# Altium PCB 智能马桶综合检测台V2.0.PcbDoc (part 2 of 2)
Units mil, origin at the board's own origin, x right, y up, seen from the top; angles counter-clockwise.
Board outline 8070.87 x 6102.36 mil, 2 copper layers (Top Layer, Bottom Layer); 199 components, 169 nets, 733 pads, 77 vias.
Unrouted connection lines stored in the file: 91.
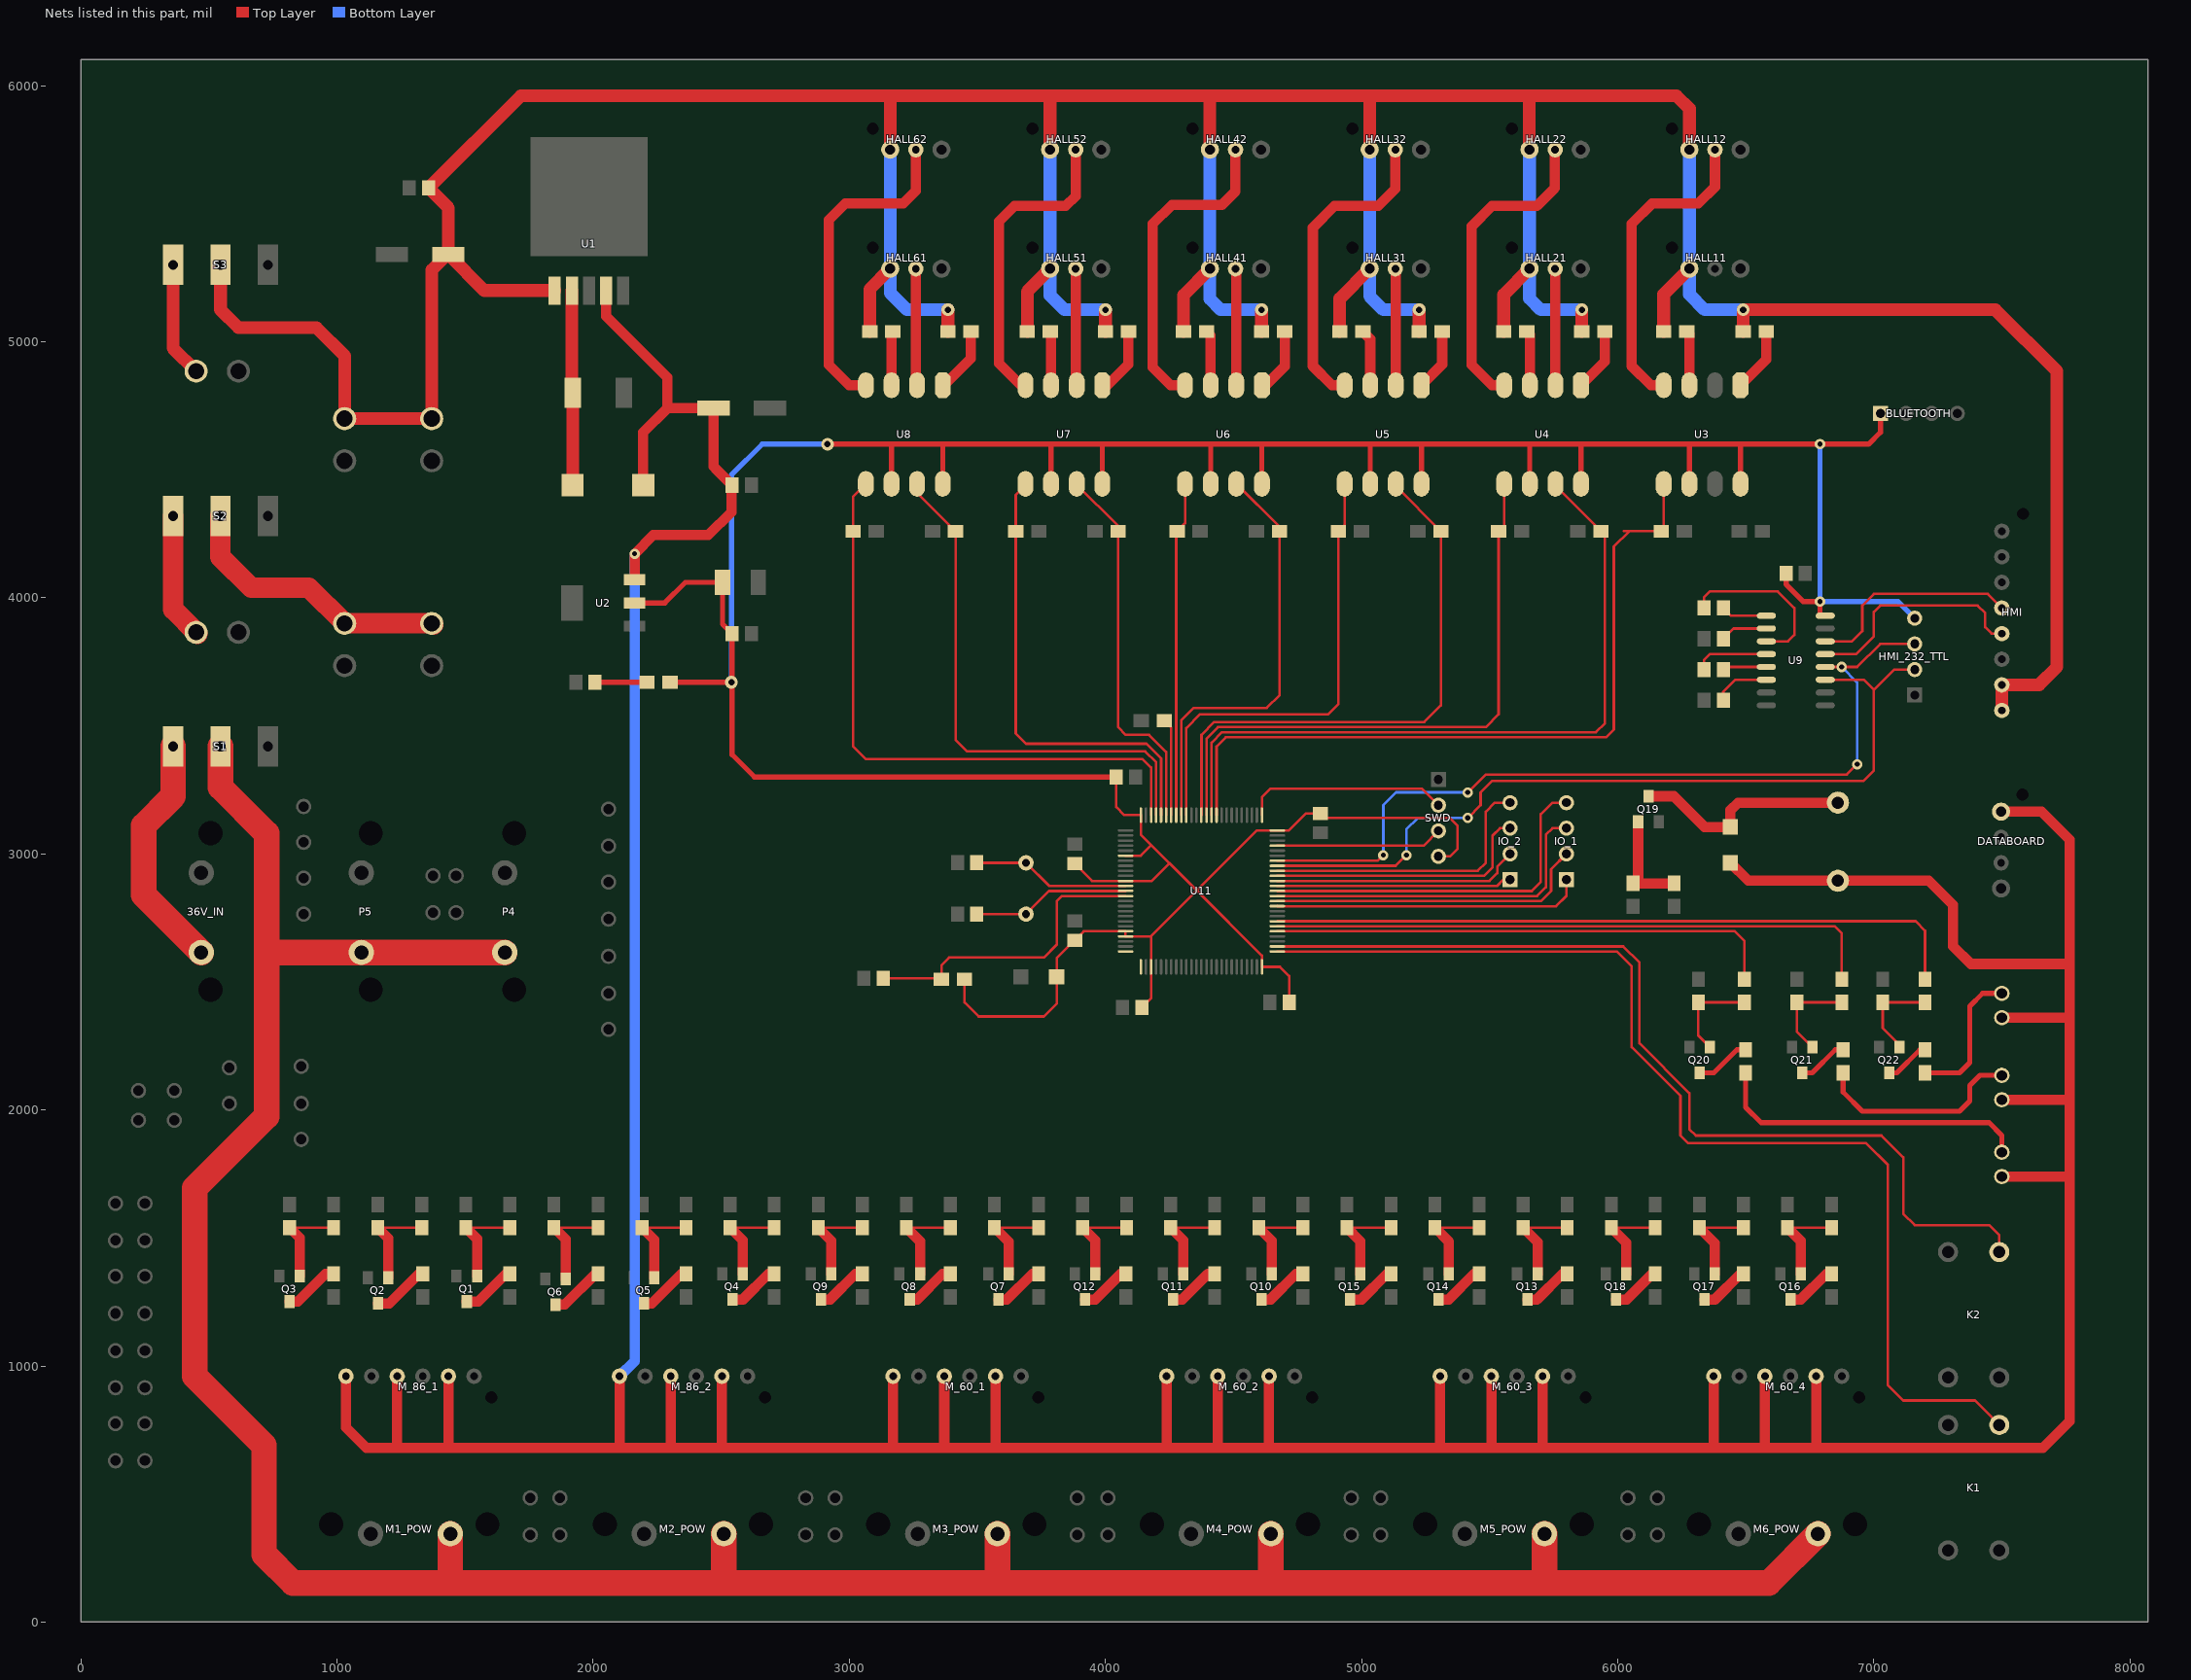
[diagram p2: the nets of this part, all layers, seen from the top]

## Via types
v1: diameter 40, hole 20, Top Layer to Bottom Layer, 68 vias
v2: diameter 50, hole 25, Top Layer to Bottom Layer, 9 vias

## Nets (pads, with @x,y where several pads share a name; then routed paths per layer and width w, separated by ;. In a path a pad name is that pad's centre, name@x,y a point inside that pad or via, vN(x,y) a via of type N, cw(c..) or ccw(c..) an arc to the next point about the centre after c; other vN are vias at no path point) (continued)
HALL_12: R61.2 U3.5 U11.85 | length 3001.3
  Top Layer w10: U11.85@4434.06,3151.26 4434.06,3419.06 4470,3455 5955,3455 5985,3485 5985,4200 6045,4260 ; 6025,4260 R61.2@6170,4260 ; R61.2@6160,4270 R61.2@6170,4260 ; R61.2@6180,4270 U3.5@6180,4445 ; R61.2@6185,4275 R61.2@6170,4260
HALL_12_IN: HALL12.2 U3.4 | length 1241.1
  Top Layer w40: U3.4@6180,4830 6130,4830 6055,4905 6055,5460 6135,5540 6315,5540 6380,5605 HALL12.2@6380,5750
HALL_21: R64.2 U4.7 U11.86 | length 2858.8
  Top Layer w10: U11.86@4414.37,3151.26 4414.37,3434.37 4455,3475 5915,3475 5950,3510 R64.2@5950,4260 ; U4.7@5757,4445 5757,4438 R64.2@5935,4260
HALL_21_IN: HALL21.2 U4.2 | length 455.4
  Top Layer w40: HALL21.2@5756,5285 5757,5284 U4.2@5757,4830
HALL_22: R65.2 U4.5 U11.87 | length 2387.3
  Top Layer w10: U11.87@4394.69,3151.26 4394.69,3449.69 4440,3495 5485,3495 5535,3545 R65.2@5535,4260 5557,4282 U4.5@5557,4445
HALL_22_IN: HALL22.2 U4.4 | length 1228.7
  Top Layer w40: U4.4@5562,4830 5510,4830 5430,4910 5430,5450 5510,5530 5685,5530 5755,5600 5755,5735 HALL22.2@5756,5736
HALL_31: R68.2 U5.7 U11.88 | length 2234.3
  Top Layer w10: U11.88@4375,3151.26 4375,3465 4425,3515 5245,3515 5310,3580 R68.2@5310,4260 5134,4436 U5.7@5134,4445
HALL_31_IN: HALL31.2 U5.2 | length 453
  Top Layer w40: U5.2@5134,4830 HALL31.2@5134,5283
HALL_32: R69.2 U5.5 U11.91 | length 1876.6
  Top Layer w10: U11.91@4315.94,3151.26 4315.94,3490.94 4370,3545 4870,3545 4910,3585 R69.2@4910,4260 4934,4284 U5.5@4934,4445 U5.5@4910,4421
HALL_32_IN: HALL32.2 U5.4 | length 1243
  Top Layer w40: U5.4@4944,4830 4885,4830 4810,4905 4810,5445 4895,5530 5065,5530 5132,5597 HALL32.2@5132,5750
HALL_41: R72.2 U6.7 U11.92 | length 1689.6
  Top Layer w10: U11.92@4296.26,3151.26 4296.26,3521.26 4345,3570 4630,3570 4680,3620 4680,4276 U6.7@4511,4445
HALL_41_IN: HALL41.2 U6.2 | length 456.2
  Top Layer w40: HALL41.2@4508,5285 4511,5282 U6.2@4511,4830
HALL_42: R73.2 U6.5 U11.93 | length 1308
  Top Layer w10: U11.93@4276.57,3151.26 4276.57,4256.57 4311,4291 U6.5@4311,4445
HALL_42_IN: HALL42.2 U6.4 | length 1253
  Top Layer w40: U6.4@4311,4830 4255,4830 4185,4900 4185,5460 4260,5535 4455,5535 4508,5588 HALL42.2@4508,5750
HALL_51: R76.2 U7.7 U11.95 | length 1491.1
  Top Layer w10: U7.7@3888,4445 3888,4442 4050,4280 4050,3495 4080,3465 4170,3465 4237.2,3397.8 U11.95@4237.2,3151.26
HALL_51_IN: HALL51.2 U7.2 | length 456.7
  Top Layer w40: HALL51.2@3884,5285 3884,4834 U7.2@3888,4830
HALL_52: R77.2 U7.5 U11.96 | length 1819.9
  Top Layer w10: U7.5@3688,4445 3688,4440 3650,4402 3650,3470 3690,3430 4160,3430 4217.52,3372.48 U11.96@4217.52,3151.26
HALL_52_IN: HALL52.2 U7.4 | length 1214.2
  Top Layer w40: U7.4@3688,4830 3670,4830 3585,4915 3585,5470 3645,5530 3845,5530 3884,5569 HALL52.2@3884,5750
HALL_61: R80.2 U8.7 U11.97 | length 2087.3
  Top Layer w10: U8.7@3265,4445 3265,4410 R80.2@3415,4260 3415,3445 3460,3400 4155,3400 4197.83,3357.17 U11.97@4197.83,3151.26
HALL_61_IN: HALL61.2 U8.2 | length 457.1
  Top Layer w40: HALL61.2@3260,5285 3260,4835 U8.2@3265,4830
HALL_62: R81.2 U8.5 U11.98 | length 2428.9
  Top Layer w10: U8.5@3065,4445 3015,4395 3015,3420 3065,3370 4145,3370 4178.15,3336.85 U11.98@4178.15,3151.26
HALL_62_IN: HALL62.2 U8.4 | length 1290.8
  Top Layer w40: U8.4@3065,4830 3000,4830 2920,4910 2920,5475 2985,5540 3210,5540 3260,5590 HALL62.2@3260,5750
HMI_232_RX: HMI.4 U9.14 | length 868.5
  Top Layer w10: U9.14@6789.49,3830 6915,3830 6955,3870 6955,3970 7000,4015 7445,4015 HMI.4@7500,3960
HMI_232_TX: HMI.5 U9.13 | length 922.6
  Top Layer w10: U9.13@6789.49,3780 6930,3780 7000,3850 7000,3945 7025,3970 7405,3970 7435,3940 7435,3885 7460,3860 HMI.5@7500,3860
HMI_RX: HMI_232_TTL.3 U9.12 U11.69 | length 3346.7
  Top Layer w10: U11.69@4671.26,2973.11 5063.11,2973.11 v1(5085,2995) ; v1(5415,3240) 5485,3310 6895,3310 v1(6935,3350) ; U9.12@6789.49,3730 6935,3730 7025,3820 HMI_232_TTL.3@7160,3820
  Bottom Layer w10: v1(5085,2995) 5085,3190 5135,3240 v1(5415,3240) ; v1(6875,3730) 6935,3670 v1(6935,3350)
HMI_TX: HMI_232_TTL.2 U9.11 U11.68 | length 3320.7
  Top Layer w10: U11.68@4671.26,2953.43 5133.43,2953.43 v1(5175,2995) ; v1(5415,3140) 5465,3190 5465,3240 5510,3285 6960,3285 7000,3325 7000,3640 ; U9.11@6789.49,3680 6960,3680 7000,3640 ; HMI_232_TTL.2@7160,3720 7080,3720 7000,3640
  Bottom Layer w10: v1(5175,2995) 5175,3095 5220,3140 v1@5430,3140
KEY1: K1.2@7490,770 U11.51 | length 4363.6
  Top Layer w10: U11.51@4671.26,2618.78 5996.22,2618.78 6055,2560 6055,2245 6245,2055 6245,1900 6275,1870 6970,1870 7055,1785 7055,925 7115,865 7395,865 K1.2@7490,770
KEY2: K2.2@7490,1445 U11.52 | length 3746.6
  Top Layer w10: U11.52@4671.26,2638.46 6021.54,2638.46 6085,2575 6085,2260 6280,2065 6280,1925 6305,1900 7030,1900 7115,1815 7115,1595 7160,1550 7450,1550 7490,1510 K2.2@7490,1445
LED1: R82.1 U11.55 | length 1989.3
  Top Layer w10: U11.55@4671.26,2697.52 6457.48,2697.52 6495,2660 R82.1@6495,2510
LED2: R85.1 U11.56 | length 2395
  Top Layer w10: U11.56@4671.26,2717.2 6847.8,2717.2 6875,2690 R85.1@6875,2510
LED3: R88.1 U11.57 | length 2734
  Top Layer w10: U11.57@4671.26,2736.89 7163.11,2736.89 7200,2700 R88.1@7200,2510
NetC6_1: C6.1 LS1.2 Q19.3 | length 867.1
  Top Layer w40: Q19.3@6120,3225 6220,3225 6340,3105 C6.1@6440,3105 6440,3170 6470,3200 LS1.2@6860,3200
NetC7_1: C7.1 U9.1 | length 200.5
  Top Layer w10: C7.1@6412.4,3960 6442.4,3930 U9.1@6600.51,3930
NetC7_2: C7.2 U9.3 | length 655.9
  Top Layer w10: C7.2@6337.6,3960 6337.6,4002.6 6360,4025 6625,4025 6690,3960 6690,3855 6665,3830 U9.3@6580.63,3830
NetC8_1: C8.1 U9.4 | length 309.8
  Top Layer w10: C8.1@6337.6,3720 6337.6,3757.6 6360,3780 U9.4@6600.51,3780
NetC8_2: C8.2 U9.5 | length 192.3
  Top Layer w10: C8.2@6412.4,3720 6422.4,3730 U9.5@6600.51,3730
NetC10_2: C10.2 U9.2 | length 204.7
  Top Layer w10: C10.2@6412.4,3840 6452.4,3880 U9.2@6600.51,3880
NetC11_2: C11.2 U9.6 | length 240.2
  Top Layer w10: C11.2@6412.4,3600 6412.4,3632.4 6460,3680 U9.6@6600.51,3680
NetD1_2: D1.2 L1.1 U1.2 | length 760.9
  Top Layer w50: U1.2@1916.93,5200 1916.93,4803.66 D1.2@1920.59,4800 ; L1.1@1920,4440 D1.2@1920,4799.41
NetD2_1: D2.1 R1.1 | length 202.6
  Top Layer w20: D2.1@2007.4,3670 R1.1@2210,3670
NetD3_2: D3.2 R84.1 | length 1245.6
  Top Layer w20: R84.1@6500,2145 6500,2010 6560,1950 7450,1950 7500,1900 D3.2@7500,1835
NetD4_2: D4.2 R87.1 | length 819.2
  Top Layer w20: R87.1@6880,2145 6880,2070 6955,1995 7335,1995 7375,2035 7375,2095 7415,2135 D4.2@7500,2135
NetD5_2: D5.2 R90.1 | length 557.3
  Top Layer w20: R90.1@7200,2145 7335,2145 7375,2185 7375,2405 7425,2455 D5.2@7500,2455
NetQ1_1: Q1.1 R2.2 R3.1 | length 378.6
  Top Layer w10: R3.1@1503,1540 R2.2@1675,1540
  Top Layer w40: R3.1@1503,1540 1546.76,1496.24 Q1.1@1546.76,1351.5
NetQ1_3: Q1.3 R4.1 | length 213.2
  Top Layer w40: Q1.3@1506.76,1251.5 1551.5,1251.5 1660,1360 R4.1@1675,1360
NetQ2_1: Q2.1 R5.2 R6.2 | length 384.8
  Top Layer w10: R6.2@1159,1540 R5.2@1331,1540
  Top Layer w40: R6.2@1159,1540 1200.88,1498.12 Q2.1@1200.88,1344.5
NetQ2_3: Q2.3 R7.1 | length 222
  Top Layer w40: Q2.3@1160.88,1244.5 1204.5,1244.5 1320,1360 R7.1@1335,1360
NetQ3_1: Q3.1 R8.2 R9.1 | length 377.1
  Top Layer w10: R9.1@815,1540 R8.2@987,1540
  Top Layer w40: R9.1@815,1540 855,1500 Q3.1@855,1351.5
NetQ3_3: Q3.3 R10.1 | length 204.9
  Top Layer w40: Q3.3@815,1251.5 846.5,1251.5 955,1360 R10.1@975,1360
NetQ4_1: Q4.1 R11.2 R12.2 | length 372.5
  Top Layer w10: R12.2@2535,1540 R11.2@2707,1540
  Top Layer w40: R12.2@2535,1540 2584.41,1490.59 Q4.1@2584.41,1360
NetQ4_3: Q4.3 R13.1 | length 204
  Top Layer w40: Q4.3@2544.41,1260 2585,1260 2685,1360 R13.1@2707,1360
NetQ5_1: Q5.1 R14.2 R15.1 | length 387.3
  Top Layer w10: R15.1@2195,1550 2205,1540 R14.2@2363,1540
  Top Layer w40: R15.1@2191,1540 2238.53,1492.47 Q5.1@2238.53,1344.5
NetQ5_3: Q5.3 R16.1 | length 212.3
  Top Layer w40: Q5.3@2198.53,1244.5 2229.5,1244.5 2345,1360 R16.1@2363,1360
NetQ6_1: Q6.1 R17.2 R18.2 | length 391.4
  Top Layer w10: R18.2@1847,1540 R17.2@2019,1540
  Top Layer w40: R18.2@1847,1540 1892.65,1494.35 Q6.1@1892.65,1339.5
NetQ6_3: Q6.3 R19.1 | length 216.3
  Top Layer w40: Q6.3@1852.65,1239.5 1889.5,1239.5 2010,1360 R19.1@2019,1360
NetQ7_1: Q7.1 R20.2 R21.1 | length 374.8
  Top Layer w10: R21.1@3567,1540 R20.2@3739,1540
  Top Layer w40: R21.1@3567,1540 3622.06,1484.94 Q7.1@3622.06,1360
NetQ7_3: Q7.3 R22.1 | length 198.4
  Top Layer w40: Q7.3@3582.06,1260 3615,1260 3715,1360 R22.1@3739,1360
NetQ8_1: Q8.1 R23.2 R24.2 | length 374
  Top Layer w10: R24.2@3223,1540 R23.2@3395,1540
  Top Layer w40: R24.2@3223,1540 3276.18,1486.82 Q8.1@3276.18,1360
NetQ8_3: Q8.3 R25.1 | length 200.2
  Top Layer w40: Q8.3@3236.18,1260 3265,1260 3365,1360 R25.1@3395,1360
NetQ9_1: Q9.1 R26.2 R27.1 | length 373.2
  Top Layer w10: R27.1@2879,1540 R26.2@3051,1540
  Top Layer w40: R27.1@2879,1540 2930.29,1488.71 Q9.1@2930.29,1360
NetQ9_3: Q9.3 R28.1 | length 202.1
  Top Layer w40: Q9.3@2890.29,1260 2925,1260 3025,1360 R28.1@3051,1360
NetQ10_1: Q10.1 R29.2 R30.2 | length 373.1
  Top Layer w10: R30.2@4599,1540 R29.2@4771,1540
  Top Layer w40: R30.2@4599,1540 4650,1489 Q10.1@4650,1360
NetQ10_3: Q10.3 R31.1 | length 202.4
  Top Layer w40: Q10.3@4610,1260 4645,1260 4745,1360 R31.1@4771,1360
NetQ11_1: Q11.1 R32.2 R33.1 | length 372.2
  Top Layer w10: R33.1@4255,1540 R32.2@4427,1540
  Top Layer w40: R33.1@4255,1540 4303.82,1491.18 Q11.1@4303.82,1360
NetQ11_3: Q11.3 R34.1 | length 204.6
  Top Layer w40: Q11.3@4263.82,1260 4300,1260 4400,1360 R34.1@4427,1360
NetQ12_1: Q12.1 R35.2 R36.2 | length 372.3
  Top Layer w10: R36.2@3911,1540 R35.2@4083,1540
  Top Layer w40: R36.2@3911,1540 3960,1491 Q12.1@3960,1360
NetQ12_3: Q12.3 R37.1 | length 201.4
  Top Layer w40: Q12.3@3920,1260 3960,1260 4060,1360 R37.1@4080,1360
NetQ13_1: Q13.1 R38.1 R39.2 | length 375.3
  Top Layer w10: R39.2@5631,1540 R38.1@5803,1540
  Top Layer w40: R39.2@5631,1540 5687.35,1483.65 Q13.1@5687.35,1360
NetQ13_3: Q13.3 R40.1 | length 197.1
  Top Layer w40: Q13.3@5647.35,1260 5685,1260 5785,1360 R40.1@5803,1360
NetQ14_1: Q14.1 R41.1 R42.1 | length 374.6
  Top Layer w10: R42.1@5287,1540 R41.1@5459,1540
  Top Layer w40: R42.1@5287,1540 5341.47,1485.53 Q14.1@5341.47,1360
NetQ14_3: Q14.3 R43.1 | length 199
  Top Layer w40: Q14.3@5301.47,1260 5340,1260 5440,1360 R43.1@5459,1360
NetQ15_1: Q15.1 R44.1 R45.1 | length 373.8
  Top Layer w10: R45.1@4943,1540 R44.1@5115,1540
  Top Layer w40: R45.1@4943,1540 4995.59,1487.41 Q15.1@4995.59,1360
NetQ15_3: Q15.3 R46.1 | length 200.8
  Top Layer w40: Q15.3@4955.59,1260 5000,1260 5100,1360 R46.1@5115,1360
NetQ16_1: Q16.1 R47.1 R48.2 | length 373.5
  Top Layer w10: R48.2@6663,1540 R47.1@6835,1540
  Top Layer w40: R48.2@6663,1540 6715,1488 Q16.1@6715,1360
NetQ16_3: Q16.3 R49.1 | length 201.4
  Top Layer w40: Q16.3@6675,1260 6715,1260 6815,1360 R49.1@6835,1360
NetQ17_1: Q17.1 R50.1 R51.1 | length 376.9
  Top Layer w10: R51.1@6319,1540 R50.1@6491,1540
  Top Layer w40: R51.1@6319,1540 6379.12,1479.88 Q17.1@6379.12,1360
NetQ17_3: Q17.3 R52.1 | length 193.3
  Top Layer w40: Q17.3@6339.12,1260 6380,1260 6480,1360 R52.1@6491,1360
NetQ18_1: Q18.1 R53.1 R54.1 | length 376.1
  Top Layer w10: R54.1@5975,1540 R53.1@6147,1540
  Top Layer w40: R54.1@5975,1540 6033.23,1481.77 Q18.1@6033.23,1360
NetQ18_3: Q18.3 R55.1 | length 195.2
  Top Layer w40: Q18.3@5993.23,1260 6035,1260 6135,1360 R55.1@6147,1360
NetQ19_1: Q19.1 R56.2 R57.1 | length 402.1
  Top Layer w40: R56.2@6060,2885 R57.1@6220,2885 ; R56.2@6075,2885 6080,2890 Q19.1@6080,3125
NetQ20_1: Q20.1 R82.2 R83.1 | length 373.6
  Top Layer w10: Q20.1@6360,2245 6315,2290 R83.1@6315,2420 R82.2@6495,2420
NetQ20_3: Q20.3 R84.2 | length 217.3
  Top Layer w20: Q20.3@6320,2145 6375,2145 6465,2235 R84.2@6500,2235
NetQ21_1: Q21.1 R85.2 R86.1 | length 374.9
  Top Layer w10: Q21.1@6760,2245 6700,2305 R86.1@6700,2420 R85.2@6875,2420
NetQ21_3: Q21.3 R87.2 | length 197.3
  Top Layer w20: Q21.3@6720,2145 6760,2145 6850,2235 R87.2@6880,2235
NetQ22_1: Q22.1 R88.2 R89.1 | length 356.9
  Top Layer w10: Q22.1@7100,2255 7035,2320 R89.1@7035,2420 R88.2@7200,2420
NetQ22_3: Q22.3 R90.2 | length 177.3
  Top Layer w20: Q22.3@7060,2145 7090,2145 7180,2235 R90.2@7200,2235
NetR58_2: R58.2 U3.1 | length 251.4
  Top Layer w40: U3.1@6480,4830 6580,4930 R58.2@6580,5040
NetR59_2: R59.2 U3.3 | length 214.1
  Top Layer w40: R59.2@6270,5040 6280,5030 U3.3@6280,4830
NetR62_2: R62.2 U4.1 | length 248.5
  Top Layer w40: U4.1@5857,4830 5950,4923 R62.2@5950,5040
NetR63_2: R63.2 U4.3 | length 215
  Top Layer w40: R63.2@5645,5040 5657,5028 U4.3@5657,4830
NetR66_2: R66.2 U5.1 | length 243.6
  Top Layer w40: U5.1@5234,4830 5315,4911 R66.2@5315,5040
NetR67_2: R67.2 U5.3 | length 222
  Top Layer w40: R67.2@5005,5040 5034,5011 U5.3@5034,4830
NetR70_2: R70.2 U6.1 | length 240.7
  Top Layer w40: U6.1@4626,4830 4700,4904 R70.2@4700,5040
NetR71_2: R71.2 U6.3 | length 216.6
  Top Layer w40: R71.2@4395,5040 4411,5024 U6.3@4411,4830
NetR74_2: R74.2 U7.1 | length 264
  Top Layer w40: U7.1@3988,4830 4008,4830 4090,4912 R74.2@4090,5040
NetR75_2: R75.2 U7.3 | length 211.2
  Top Layer w40: R75.2@3785,5040 3788,5037 U7.3@3788,4830
NetR78_2: R78.2 U8.1 | length 258.5
  Top Layer w40: U8.1@3365,4830 3370,4830 3475,4935 R78.2@3475,5040
NetR79_2: R79.2 U8.3 | length 212.1
  Top Layer w40: U8.3@3165,4830 3165,5035 R79.2@3170,5040
NetR91_1: R91.1 U11.94 | length 379.9
  Top Layer w10: R91.1@4230,3520 4256.89,3493.11 U11.94@4256.89,3151.26
NRST: C19.1 R92.1 U11.14 | length 1214.5
  Top Layer w10: C19.1@3132.4,2514.01 3355.99,2514.01 R92.1@3360,2510 3360,2565 3390,2595 3760,2595 3810,2645 3810,2815 3830.31,2835.32 U11.14@4078.74,2835.32
PA8: IO_2.4 U11.67 | length 1136.2
  Top Layer w10: U11.67@4671.26,2933.74 5453.74,2933.74 5485,2965 5485,3165 5520,3200 IO_2.4@5580,3200
PC6: IO_1.4 U11.63 | length 1426.9
  Top Layer w10: U11.63@4671.26,2855 5665,2855 5700,2890 5700,3155 5745,3200 IO_1.4@5800,3200
PC7: IO_2.1 U11.64 | length 919.2
  Top Layer w10: U11.64@4671.26,2874.69 5529.69,2874.69 5555,2900 IO_2.1@5580,2900
PC8: IO_2.2 U11.65 | length 967.1
  Top Layer w10: U11.65@4671.26,2894.37 5499.37,2894.37 5530,2925 5530,2950 IO_2.2@5580,3000
PC9: IO_2.3 U11.66 | length 1059
  Top Layer w10: U11.66@4671.26,2914.06 5479.06,2914.06 5512.13,2947.13 5512.13,3072.13 5540,3100 IO_2.3@5580,3100
PD13: IO_1.1 U11.60 | length 1210.7
  Top Layer w10: U11.60@4671.26,2795.94 4672.2,2795 5760,2795 5800,2835 IO_1.1@5800,2900
PD14: IO_1.2 U11.61 | length 1254.9
  Top Layer w10: U11.61@4671.26,2815.63 5700.63,2815.63 5740,2855 5740,2940 IO_1.2@5800,3000
PD15: IO_1.3 U11.62 | length 1358.5
  Top Layer w10: U11.62@4671.26,2835.32 5685.31,2835.32 5720,2870 5720,3075 5745,3100 IO_1.3@5800,3100
RXD2: U11.26
SWCLK: SWD.2 U11.76 | length 799.7
  Top Layer w10: U11.76@4611.22,3151.26 4611.22,3221.22 4645,3255 5235,3255 SWD.2@5300,3190
SWDIO: SWD.3 U11.72 | length 652.7
  Top Layer w10: U11.72@4671.26,3032.17 5242.17,3032.17 SWD.3@5300,3090
TXD2: U11.25
VCC3V3: BLUETOOTH.1 C4.1 C5.2 C9.2 C20.2 C21.1 C22.1 C23.1 C24.1 C25.1 C26.1 HMI_232_TTL.4 R1.2 R92.2 SWD.4 U2.2 U3.6 U3.8 U4.6 U4.8 U5.6 U5.8 U6.6 U6.8 U7.6 U7.8 U8.6 U8.8 U9.16 U11.6 U11.11 U11.21 U11.22 U11.28 U11.50 U11.75 U11.100 | length 16158.4
  Top Layer w10: R92.2@3450,2510 3450,2420 3505,2365 3760,2365 3810,2415 3810,2592.6 3914.92,2697.52 U11.21@4078.74,2697.52 U11.22@4078.74,2677.83 4177.83,2677.83 4178.15,2677.52 ; C26.1@3880,2962.6 3948.23,2894.37 4180.68,2894.37 4250.05,2963.73 ; C24.1@4042.6,3300 4042.6,3182.4 4073.74,3151.26 U11.100@4138.78,3151.26 4138.78,3075 4357.2,2856.57 4611.22,2602.56 U11.50@4611.22,2558.74 4681.26,2558.74 4717.4,2522.6 C22.1@4717.4,2420 ; U11.6@4078.74,2992.8 4137.82,2992.8 4179.4,3034.38 ; C25.1@4142.4,2400 4178.15,2435.75 4178.15,2677.52 ; SWD.4@5300,2990 5345,2990 5375,3020 5375,3110 5345,3140 4857.4,3140 C23.1@4840,3157.4 4782.4,3157.4 4716.22,3091.22 4591.85,3091.22 4178.15,2677.52
  Top Layer w20: U2.2@2162.05,3980 2280,3980 2360,4060 C4.1@2505,4060 2505,3897.6 C5.2@2542.6,3860 2542.6,3387.4 2630,3300 C24.1@4042.6,3300 ; R1.2@2300,3670 v2(2540,3670) ; v2(2915,4600) 6980,4600 7026,4646 BLUETOOTH.1@7026,4720 ; U8.6@3165,4445 3165,4600 ; U8.8@3365,4445 3365,4600 ; U7.6@3788,4445 3788,4598 ; U7.8@3988,4445 3988,4597 ; U6.6@4411,4445 4411,4599 ; U6.8@4611,4445 4611,4599 ; U5.6@5034,4445 5034,4599 ; U5.8@5234,4445 5234,4596 ; U4.6@5657,4445 5657,4598 ; U4.8@5857,4445 5857,4597 ; U3.6@6280,4445 6280,4595 ; U3.8@6480,4445 6480,4600 ; C9.2@6657.6,4095 6657.6,4052.4 6725,3985 v1(6790,3985) 6790,3930.51 U9.16@6789.49,3930
  Bottom Layer w20: v2(2540,3670) 2540,4480 2660,4600 v2(2915,4600) ; v1(6790,4600) v1(6790,3985) 7095,3985 HMI_232_TTL.4@7160,3920
VCC5V: C2.1 C3.2 C6.2 D3.1 D4.1 D5.1 DATABOARD.1 L1.2 LS1.1 M_60_1.2 M_60_1.4 M_60_1.6 M_60_2.2 M_60_2.4 M_60_2.6 M_60_3.2 M_60_3.4 M_60_3.6 M_60_4.2 M_60_4.4 M_60_4.6 M_86_1.2 M_86_1.4 M_86_1.6 M_86_2.2 M_86_2.4 M_86_2.6 U1.4 U2.3 | length 21965.5
  Top Layer w40: M_86_1.6@1035,960 1035,760 1115,680 7660,680 7765,785 7765,3055 7655,3165 DATABOARD.1@7497,3165 ; 1235,680 M_86_1.4@1235,960 ; M_86_1.2@1435,960 1435,685 1440,680 ; U1.4@2050.79,5200 2050.79,5099.21 2290,4860 2290,4740 ; 2103,682 M_86_2.6@2103,960 ; U2.3@2162.05,4070.55 v1(2162.05,4172.05) 2235,4245 2450,4245 2540,4335 C3.2@2540,4435 ; L1.2@2195.59,4440 2195.59,4645.59 2290,4740 ; 2303,682 M_86_2.4@2303,960 ; 2470,4512.6 C2.1@2470,4740 2290,4740 ; 2480,4502.6 C3.2@2542.6,4440 ; 2495,680 2503,688 M_86_2.2@2503,960 ; M_60_1.6@3171,960 3171,684 3175,680 ; M_60_1.4@3371,960 3371,684 3375,680 ; 3571,681 M_60_1.2@3571,960 ; 4239,681 M_60_2.6@4239,960 ; M_60_2.4@4439,960 4439,686 4445,680 ; 4639,681 M_60_2.2@4639,960 ; 5307,683 M_60_3.6@5307,960 ; 5507,682 M_60_3.4@5507,960 ; M_60_3.2@5707,960 5707,683 5710,680 ; 6375,680 M_60_4.6@6375,960 ; C6.2@6440,2965 6510,2895 7215,2895 7310,2800 7310,2640 7380,2570 7755,2570 ; 6575,680 M_60_4.4@6575,960 ; 6775,680 M_60_4.2@6775,960 ; D3.1@7500,1740 7765,1740 ; D4.1@7500,2040 7750,2040 ; D5.1@7500,2360 7750,2360
  Bottom Layer w40: M_86_2.6@2103,960 2162.05,1019.05 v1(2162.05,4172.05)
VCC12V: C1.1 C27.2 HALL11.1 HALL12.1 HALL21.1 HALL22.1 HALL31.1 HALL32.1 HALL41.1 HALL42.1 HALL51.1 HALL52.1 HALL61.1 HALL62.1 HMI.7 HMI.8 P8.1 P9.1 R58.1 R59.1 R62.1 R63.1 R66.1 R67.1 R70.1 R71.1 R74.1 R75.1 R78.1 R79.1 S3.2 U1.1 | length 18917.7
  Top Layer w50: S3.2@545.04,5300 545.04,5124.96 615,5055 920,5055 1030,4945 P8.1@1030,4700 P9.1@1370,4700 1370,5280 C1.1@1430,5340 ; U1.1@1850,5200 1575,5200 C1.1@1435,5340 1435,5522.4 C27.2@1357.4,5600 1717.4,5960 5030,5960 5032,5958 ; R79.1@3080,5040 3080,5205 HALL61.1@3160,5285 ; 3155,5960 3160,5955 HALL62.1@3160,5750 ; R78.1@3385,5040 v2(3385,5125) ; R75.1@3695,5040 3695,5196 HALL51.1@3784,5285 ; 3780,5960 3784,5956 HALL52.1@3784,5750 ; R74.1@4000,5040 v2(4000,5125) ; R71.1@4305,5040 4305,5182 HALL41.1@4408,5285 ; HALL42.1@4408,5750 4408,5958 4410,5960 ; R70.1@4610,5040 v2(4610,5125) ; R67.1@4915,5040 4915,5168 HALL31.1@5032,5285 ; HALL32.1@5032,5750 5032,5957 5035,5960 6230,5960 6280,5910 HALL12.1@6280,5750 ; R66.1@5225,5040 v2(5225,5125) ; R63.1@5555,5040 5555,5184 HALL21.1@5656,5285 ; HALL22.1@5656,5750 5655,5751 5655,5960 5656,5959 ; R62.1@5860,5040 v2(5860,5125) ; R59.1@6180,5040 6180,5185 HALL11.1@6280,5285 ; R58.1@6490,5040 v2(6490,5125) 7475,5125 7715,4885 7715,3730 7645,3660 HMI.7@7500,3660 HMI.8@7500,3560
  Bottom Layer w50: HALL62.1@3160,5750 3160,5190 3225,5125 v2(3385,5125) ; HALL52.1@3784,5750 3784,5181 3840,5125 v2(4000,5125) ; HALL42.1@4408,5750 4408,5167 4450,5125 v2(4610,5125) ; HALL32.1@5032,5750 5032,5178 5085,5125 v2(5225,5125) ; HALL22.1@5656,5750 5656,5169 5700,5125 v2(5860,5125) ; HALL12.1@6280,5750 6280,5185 6340,5125 v2(6490,5125)
VCC12V_IN: 12V_IN.1 S3.1 | length 452.3
  Top Layer w50: S3.1@360,5300 360,4975 12V_IN.1@450,4885
VCC24V: P6.1 P7.1 S2.2 | length 1099.8
  Top Layer w80: S2.2@545.04,4320 545.04,4159.96 665,4040 890,4040 P6.1@1030,3900 P7.1@1370,3900 P7.1@1375,3895
VCC24V_IN: 24V_IN.1 S2.1 | length 499.4
  Top Layer w80: S2.1@360,4320 360,3955 24V_IN.1@455,3860
VCC36V: M1_POW.1 M2_POW.1 M3_POW.1 M4_POW.1 M5_POW.1 M6_POW.1 P4.1 P5.1 S1.2 | length 11523.1
  Top Layer w100: S1.2@545.04,3420 545.04,3259.96 725,3080 725,1975 445,1695 445,960 715,690 715,265 827.76,152.24 6589.49,152.24 M6_POW.1@6782.24,345 ; 730,2615 P4.1@1655,2615 ; 1442.24,152.24 M1_POW.1@1442.24,345 ; 2505,152.24 2510.24,157.49 M2_POW.1@2510.24,345 ; 3578.24,154 M3_POW.1@3578.24,345 ; 4646.24,171.24 M4_POW.1@4646.24,345 ; 5710,152.24 5714.24,156.49 M5_POW.1@5714.24,345
VCC36V_IN: 36V_IN.1 S1.1 | length 945.8
  Top Layer w100: S1.1@360,3420 360,3225 245,3110 245,2840 36V_IN.1@470,2615
XIN: C17.2 U11.12 Y1.1 | length 618.7
  Top Layer w10: C17.2@3497.4,2965 Y1.1@3690,2965 3780.31,2874.69 U11.12@4078.74,2874.69
XOUT: C18.2 U11.13 Y1.2 | length 618.6
  Top Layer w10: C18.2@3497.4,2765 Y1.2@3690,2765 3780,2855 U11.13@4078.74,2855
pads on no net: 36V_IN.0 DATABOARD.0 HALL11.0 HALL12.0 HALL21.0 HALL22.0 HALL31.0 HALL32.0 HALL41.0 HALL42.0 HALL51.0 HALL52.0 HALL61.0 HALL62.0 HMI.0 HMI.3 HMI.6 K1.2@7490,280 K2.2@7490,955 M1_POW.0 M2_POW.0 M3_POW.0 M4_POW.0 M5_POW.0 M6_POW.0 M_60_1.0 M_60_2.0 M_60_3.0 M_60_4.0 M_86_1.0 M_86_2.0 P4.0 P5.0 S1.3 S2.3 S3.3 U1.3@1984.31,5566.01 U2.4 U11.1 U11.2 U11.3 U11.4 U11.5 U11.7 U11.8 U11.9 U11.15 U11.16 U11.17 U11.18 U11.23 U11.24 U11.37 U11.38 U11.53 U11.54 U11.59 U11.70 U11.71 U11.73 U11.77 U11.81 U11.82 U11.89 U11.90

## Keep-outs
Keep-Out Layer:
  the board outline again, w10

## Silkscreen, mask and mechanical layers (free items; w line width, h text height)
Top Overlay:
  lines w10: 165,2265 305,2265 ; 165,2320 165,2460 ; 165,2561.79 165,2701.79 ; 165,2803.57 165,2943.57 ; 165,3045.36 165,3185.36 ; 165,3287.14 165,3427.14 ; 165,3528.93 165,3668.93 ; 165,3770.71 165,3910.71 ; 165,4012.5 165,4152.5 ; 165,4254.29 165,4394.29 ; 165,4496.07 165,4636.07 ; 165,4737.86 165,4877.86 ; 165,4979.64 165,5119.64 ; 165,5221.43 165,5361.43 ; 165,5463.21 165,5603.21 ; 165,5705 165,5845 ; 175,5880 315,5880 ; 400,2265 540,2265 ; 418,5880 558,5880 ; 640,2265 780,2265 ; 661,5880 801,5880 ; 883,2265 1023,2265 ; 904,5880 1044,5880 ; 1070,5195 1070,5335 ; 1070,5450 1070,5590 ; 1070,5705 1070,5845 ; 1110,5140 1250,5140 ; 1126,2265 1266,2265 ; 1350,5140 1490,5140 ; 1369,2265 1509,2265 ; 1560,3253 1560,3393 ; 1560,3496 1560,3636 ; 1560,3739 1560,3879 ; 1560,3982 1560,4122 ; 1560,4225 1560,4365 ; 1560,4490 1560,4630 ; 1560,4733 1560,4873 ; 1560,4976 1560,5116 ; 1592,3230 1732,3230 ; 1612,2265 1752,2265 ; 1827,3230 1967,3230 ; 1855,2265 1995,2265 ; 2000,2318 2000,2458 ; 2000,2556.67 2000,2696.67 ; 2000,2795.33 2000,2935.33 ; 2000,3034 2000,3174 ; 7150,285 7245,285 ; 7150,770 7250,770 ; 7150,955 7250,955 ; 7150,1445 7245,1445 ; 7530,770 7635,770 ; 7530,955 7635,955 ; 7535,285 7635,285 ; 7535,1445 7635,1445
  text "电源区" at 405,5635 h150
  text "OFF" at 390,5510 h40
  text "ON" at 640,5510 h40
  text "综合测试台_A" at 7695,5355 h80 r90
  text "+" at 1520,5325 h40
  text "2018年1月30日" at 7920,5325 h80 r90
  text "Peng Wei CASITI" at 7815,5250 h80 r90
  text "VCC12V" at 315,5015 h40
  text "12V" at 1105,4960 h150
  text "+" at 2105,4885 h40
  text "3V3" at 6975,4810 h40
  text "TX" at 7095,4810 h40
  text "RX" at 7190,4810 h40
  text "GND" at 7275,4810 h40
  text "+" at 2395,4785 h40
  text "VCC12V" at 895,4620 h40 r90
  text "VCC12V" at 1235,4615 h40 r90
  text "OFF" at 385,4530 h40
  text "ON" at 635,4530 h40
  text "GND" at 7695,4265 h40 r270
  text "24V" at 1070,4175 h150
  text "+" at 2485,4140 h40
  text "RX" at 7695,3995 h40 r270
  text "VCC24V" at 320,3985 h40
  text "TX" at 7695,3895 h40 r270
  text "5V" at 7285,3885 h40 r90
  text "VCC24V" at 905,3795 h40 r90
  text "VCC24V" at 1230,3790 h40 r90
  text "RX" at 7285,3785 h40 r90
  text "+" at 1995,3715 h40
  text "TX" at 7285,3680 h40 r90
  text "12V" at 7695,3660 h40 r270
  text "OFF" at 380,3635 h40
  text "ON" at 630,3635 h40
  text "GND" at 7285,3550 h40 r90
  text "GND" at 5165,3375 h40 r270
  text "36V" at 1060,3325 h150
  text "CLK" at 5165,3245 h40 r270
  text "5V" at 7685,3200 h40 r270
  text "DIO" at 5165,3120 h40 r270
  text "TX" at 7689.7,3100.3 h40 r270
  text "RX" at 7690,3000 h40 r270
  text "GND" at 7690,2905 h40 r270
  text "+" at 6855,2735 h40
  text "VCC36V" at 1475,2490 h40 r90
  text "VCC36V" at 890,2485 h40 r90
  text "VCC36V" at 330,2475 h40 r90
  text "+" at 7635,2340 h40
  text "+" at 7640,2020 h40
  text "+" at 7640,1720 h40
  text "ENA" at 1185,775 h40 r180
  text "PUL" at 1385,775 h40 r180
  text "DIR" at 1585,775 h40 r180
  text "ENA" at 2255,775 h40 r180
  text "PUL" at 2455,775 h40 r180
  text "DIR" at 2655,775 h40 r180
  text "ENA" at 3320,775 h40 r180
  text "PUL" at 3520,775 h40 r180
  text "DIR" at 3720,775 h40 r180
  text "ENA" at 4385,775 h40 r180
  text "PUL" at 4585,775 h40 r180
  text "DIR" at 4785,775 h40 r180
  text "ENA" at 5460,775 h40 r180
  text "PUL" at 5660,775 h40 r180
  text "DIR" at 5860,775 h40 r180
  text "ENA" at 6530,775 h40 r180
  text "PUL" at 6730,775 h40 r180
  text "DIR" at 6930,775 h40 r180
  text "GND" at 1180,180 h40 r180
  text "VCC36V" at 1520,180 h40 r180
  text "GND" at 2255,180 h40 r180
  text "VCC36V" at 2595,180 h40 r180
  text "GND" at 3320,177.24 h40 r180
  text "VCC36V" at 3660,177.24 h40 r180
  text "GND" at 4390,177.24 h40 r180
  text "VCC36V" at 4730,177.24 h40 r180
  text "GND" at 5470,175 h40 r180
  text "VCC36V" at 5810,175 h40 r180
  text "GND" at 6530,170 h40 r180
  text "VCC36V" at 6870,170 h40 r180

## Dimensions
0,0 to 0,6102.36 on Top Overlay
0,0 to 8070.87,0 on Top Overlay